# KiCad board fmc_memory_adapter.kicad_pcb (continued)
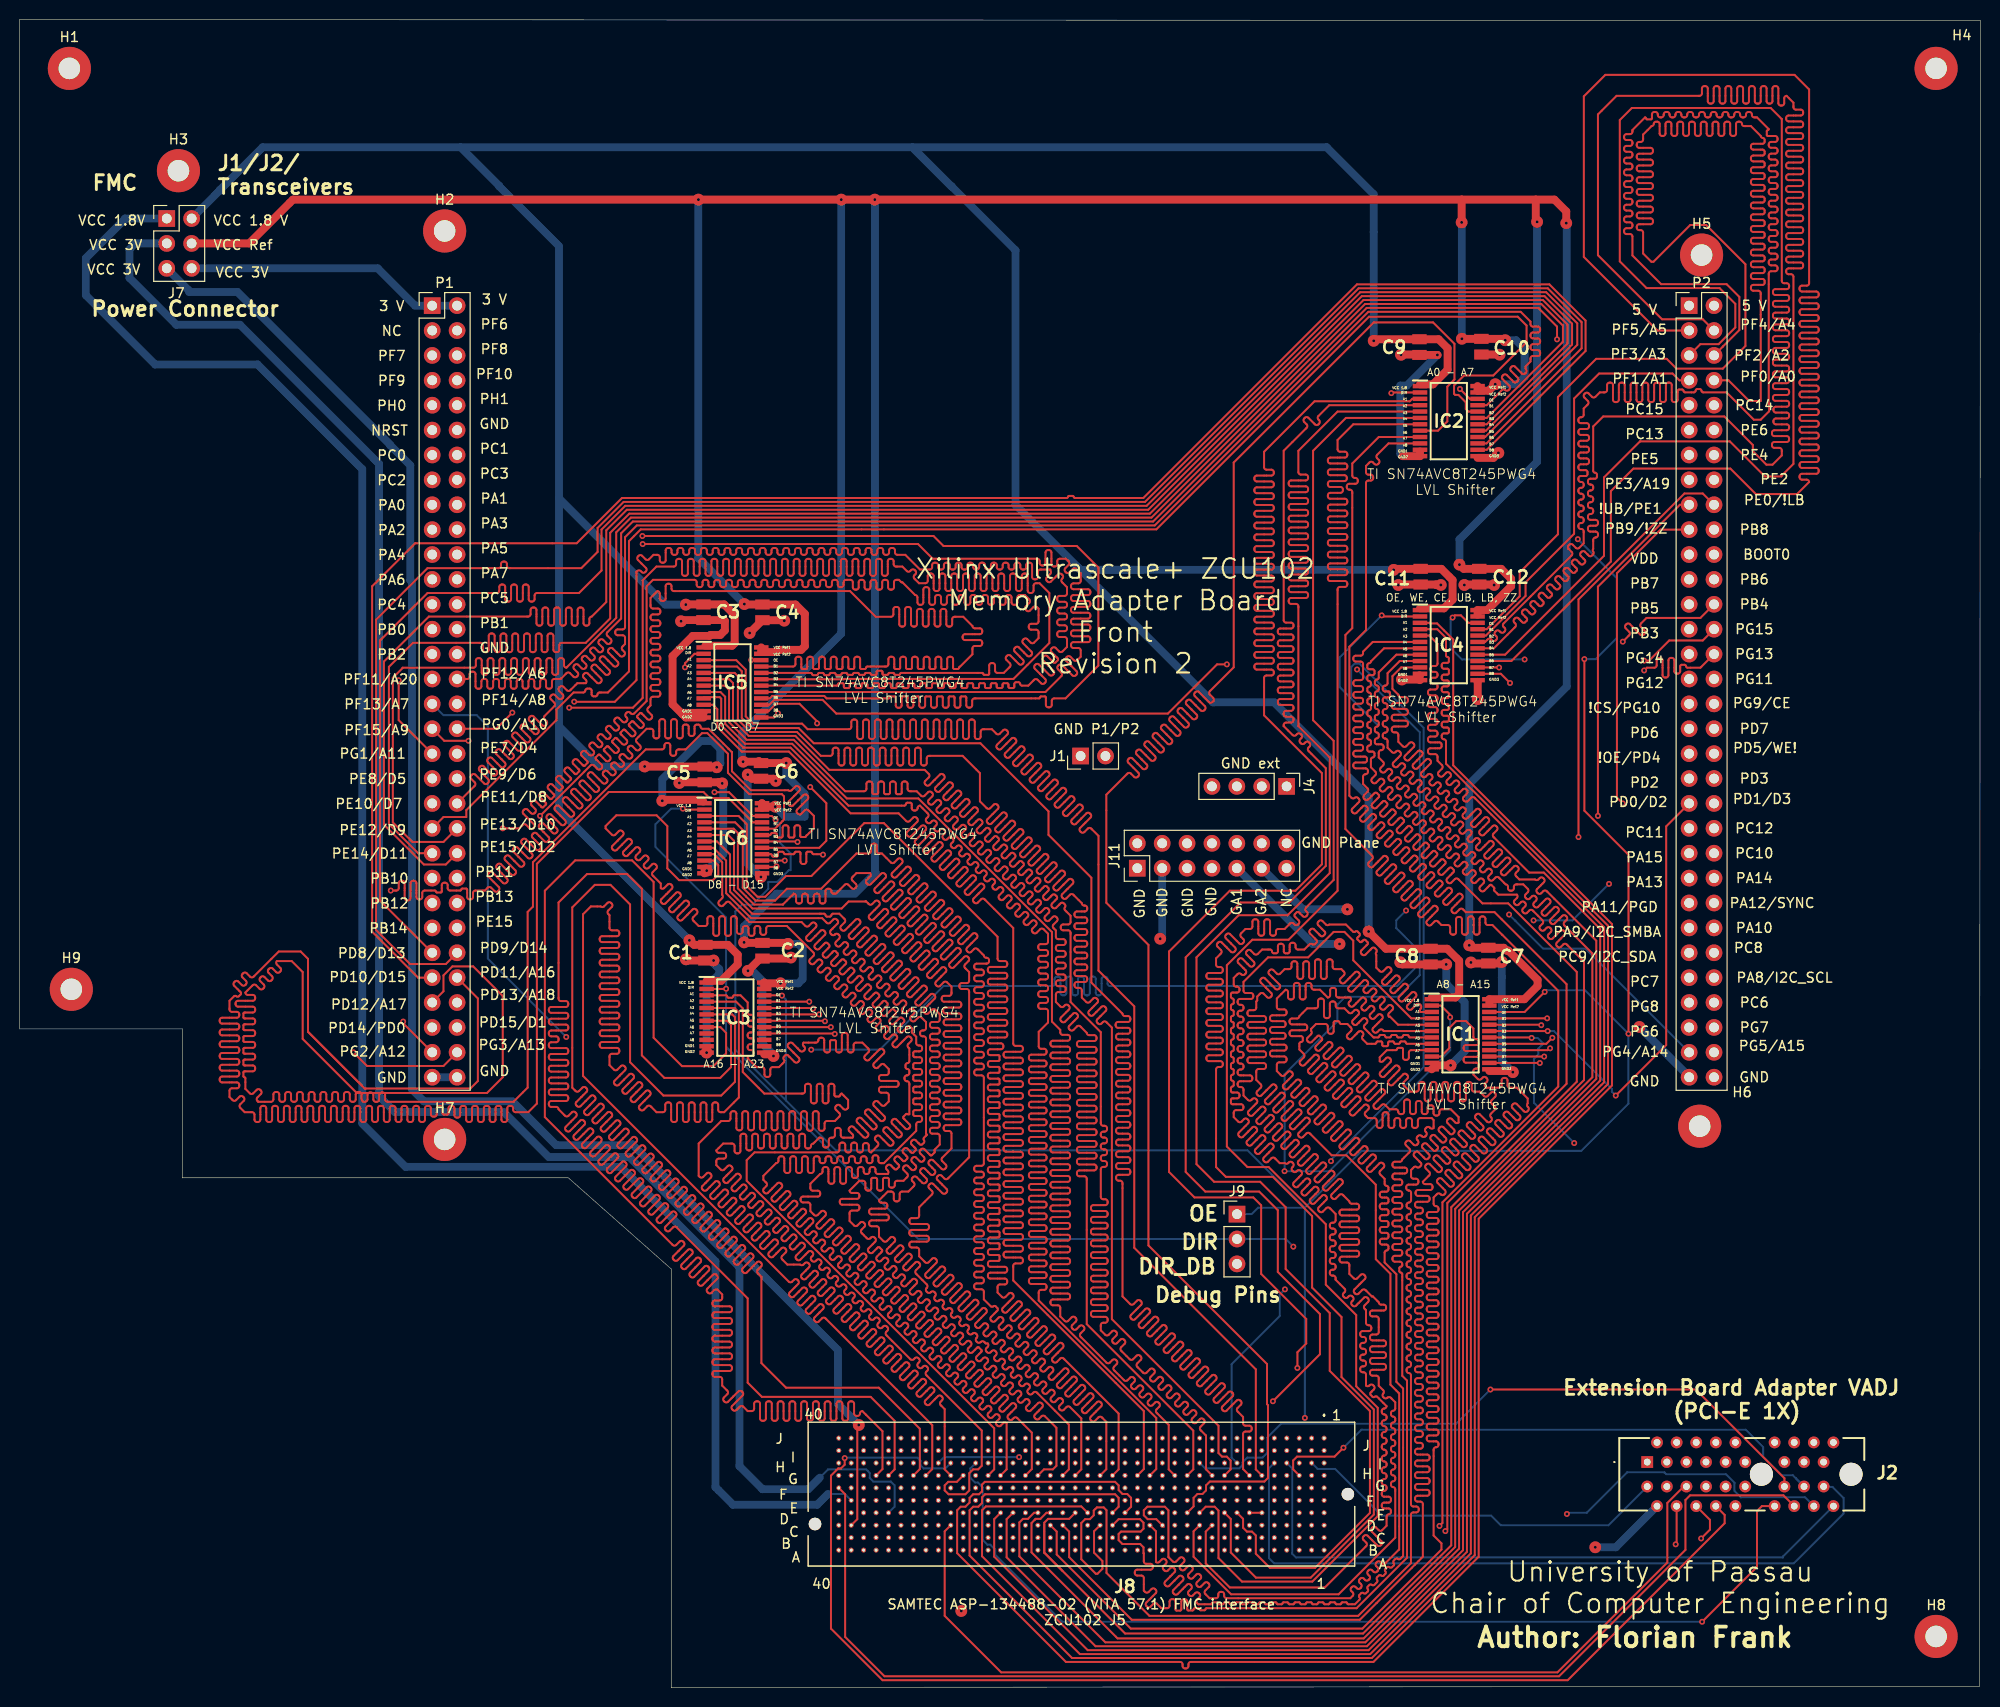
[diagram p0: board, top side]
## Routing (per net, layer and track width the routed paths; a pad name or vN(x,y) marks a point on that pad's centre or on a via; arc(x,y) is an arc through that point) (continued)
Net-(IC2-B2): length 158.9
  Top w0.2: P1.43 43.26,88.82 45.59,88.82 45.59,89.52 54.78,98.72 54.78,99.78 56.53,101.53 57.53,101.53 arc(57.67,101.59) 57.73,101.73 arc(57.79,101.87) 57.93,101.93 58.18,101.93 arc(58.32,101.87) 58.37,101.73 58.37,101.33 arc(58.43,101.19) 58.57,101.14 58.78,101.14 arc(58.92,101.19) 58.97,101.33 arc(59.03,101.47) 59.17,101.53 60.04,101.53 62.19,103.68 62.19,116.98 63.39,118.18 116.01,118.18 137.71,139.88 152.89,139.88 153.79,138.98 153.79,137.28 150.39,133.88 147.4,133.88 146.39,132.87 146.39,132.01 146.5,131.9 146.83,131.9 147.59,131.15 147.59,130.46 147.85,130.2 IC2.20
Net-(IC2-B3): length 200
  Top w0.2: IC2.19 149.72,129.55 157.5,137.32 157.5,138.97 155.29,141.18 137.31,141.18 115.51,119.38 62.39,119.38 60.89,117.88 60.89,109.15 55.8,104.06 arc(55.63,104.13) 55.56,104.3 55.56,104.79 arc(55.49,104.96) 55.32,105.03 55.2,105.03 arc(55.03,104.96) 54.96,104.79 54.96,103.57 arc(54.89,103.41) 54.72,103.33 54.6,103.33 arc(54.43,103.41) 54.36,103.57 54.36,104.79 arc(54.29,104.96) 54.12,105.03 54,105.03 arc(53.83,104.96) 53.76,104.79 53.76,103.57 arc(53.69,103.41) 53.52,103.33 53.4,103.33 arc(53.23,103.41) 53.16,103.57 53.16,104.79 arc(53.09,104.96) 52.92,105.03 52.8,105.03 arc(52.63,104.96) 52.56,104.79 52.56,103.57 arc(52.49,103.41) 52.32,103.33 52.2,103.33 arc(52.03,103.41) 51.96,103.57 51.96,104.79 arc(51.89,104.96) 51.72,105.03 51.6,105.03 arc(51.43,104.96) 51.36,104.79 51.36,103.57 arc(51.29,103.41) 51.12,103.33 51,103.33 arc(50.83,103.41) 50.76,103.57 50.76,104.79 arc(50.69,104.96) 50.52,105.03 50.4,105.03 arc(50.23,104.96) 50.16,104.79 50.16,103.57 arc(50.09,103.41) 49.92,103.33 49.8,103.33 arc(49.63,103.41) 49.56,103.57 49.56,104.79 arc(49.49,104.96) 49.32,105.03 49.2,105.03 arc(49.03,104.96) 48.96,104.79 48.96,103.57 arc(48.89,103.41) 48.72,103.33 48.6,103.33 arc(48.43,103.41) 48.36,103.57 48.36,104.79 arc(48.29,104.96) 48.12,105.03 48,105.03 arc(47.83,104.96) 47.76,104.79 47.76,103.57 arc(47.69,103.41) 47.52,103.33 47.4,103.33 arc(47.23,103.41) 47.16,103.57 47.16,104.79 arc(47.09,104.96) 46.92,105.03 46.8,105.03 arc(46.63,104.96) 46.56,104.79 46.56,104.3 arc(46.49,104.13) 46.32,104.06 39.09,104.06 39.09,104.03 38.09,103.03 38.09,88.28 40.09,86.28 43.26,86.28 P1.44
Net-(IC2-B4): length 200
  Top w0.2: IC2.18 149.72,128.9 157.94,137.12 157.94,139.09 155.45,141.58 137.14,141.58 115.34,119.78 62.22,119.78 60.27,117.83 60.27,109.1 57.77,106.6 55.32,106.6 arc(55.15,106.53) 55.08,106.36 55.08,105.89 arc(55.01,105.72) 54.84,105.65 54.72,105.65 arc(54.55,105.72) 54.48,105.89 54.48,107.31 arc(54.41,107.48) 54.24,107.55 54.12,107.55 arc(53.95,107.48) 53.88,107.31 53.88,105.89 arc(53.81,105.72) 53.64,105.65 53.52,105.65 arc(53.35,105.72) 53.28,105.89 53.28,107.31 arc(53.21,107.48) 53.04,107.55 52.92,107.55 arc(52.75,107.48) 52.68,107.31 52.68,105.89 arc(52.61,105.72) 52.44,105.65 52.32,105.65 arc(52.15,105.72) 52.08,105.89 52.08,107.31 arc(52.01,107.48) 51.84,107.55 51.72,107.55 arc(51.55,107.48) 51.48,107.31 51.48,105.89 arc(51.41,105.72) 51.24,105.65 51.12,105.65 arc(50.95,105.72) 50.88,105.89 50.88,107.31 arc(50.81,107.48) 50.64,107.55 50.52,107.55 arc(50.35,107.48) 50.28,107.31 50.28,105.89 arc(50.21,105.72) 50.04,105.65 49.92,105.65 arc(49.75,105.72) 49.68,105.89 49.68,107.31 arc(49.61,107.48) 49.44,107.55 49.32,107.55 arc(49.15,107.48) 49.08,107.31 49.08,105.89 arc(49.01,105.72) 48.84,105.65 48.72,105.65 arc(48.55,105.72) 48.48,105.89 48.48,107.31 arc(48.41,107.48) 48.24,107.55 48.12,107.55 arc(47.95,107.48) 47.88,107.31 47.88,105.89 arc(47.81,105.72) 47.64,105.65 47.52,105.65 arc(47.35,105.72) 47.28,105.89 47.28,106.36 arc(47.21,106.53) 47.04,106.6 40.14,106.6 37.69,104.15 37.69,88.11 40.67,85.13 P1.45
Net-(IC2-B5): length 200
  Top w0.2: IC2.17 149.64,128.25 158.43,137.04 158.43,139.17 155.62,141.98 136.98,141.98 115.18,120.18 61.97,120.18 59.87,118.08 59.87,110.76 58.39,109.28 arc(58.22,109.21) 58.15,109.04 58.15,108.6 arc(58.08,108.43) 57.91,108.36 57.79,108.36 arc(57.62,108.43) 57.55,108.6 57.55,109.96 arc(57.48,110.13) 57.31,110.2 57.19,110.2 arc(57.02,110.13) 56.95,109.96 56.95,108.6 arc(56.88,108.43) 56.71,108.36 56.59,108.36 arc(56.42,108.43) 56.35,108.6 56.35,109.96 arc(56.28,110.13) 56.11,110.2 55.99,110.2 arc(55.82,110.13) 55.75,109.96 55.75,108.6 arc(55.68,108.43) 55.51,108.36 55.39,108.36 arc(55.22,108.43) 55.15,108.6 55.15,109.96 arc(55.08,110.13) 54.91,110.2 54.79,110.2 arc(54.62,110.13) 54.55,109.96 54.55,108.6 arc(54.48,108.43) 54.31,108.36 54.19,108.36 arc(54.02,108.43) 53.95,108.6 53.95,109.96 arc(53.88,110.13) 53.71,110.2 53.59,110.2 arc(53.42,110.13) 53.35,109.96 53.35,108.6 arc(53.28,108.43) 53.11,108.36 52.99,108.36 arc(52.82,108.43) 52.75,108.6 52.75,109.96 arc(52.68,110.13) 52.51,110.2 52.39,110.2 arc(52.22,110.13) 52.15,109.96 52.15,109.52 arc(52.08,109.35) 51.91,109.28 41.77,109.28 37.18,104.69 37.18,88.06 41.25,83.98 43.5,83.98 P1.46
Net-(IC2-B6): length 200
  Top w0.2: IC2.16 149.55,127.6 158.96,137.01 158.96,139.2 155.78,142.38 136.81,142.38 115.01,120.58 61.8,120.58 59.39,118.16 59.39,113.98 57.09,111.68 52.79,111.68 arc(52.63,111.61) 52.55,111.44 52.55,111.05 arc(52.48,110.88) 52.31,110.81 52.19,110.81 arc(52.03,110.88) 51.95,111.05 51.95,112.31 arc(51.88,112.48) 51.71,112.55 51.59,112.55 arc(51.43,112.48) 51.35,112.31 51.35,111.05 arc(51.28,110.88) 51.11,110.81 50.99,110.81 arc(50.83,110.88) 50.75,111.05 50.75,112.31 arc(50.68,112.48) 50.51,112.55 50.39,112.55 arc(50.23,112.48) 50.15,112.31 50.15,111.05 arc(50.08,110.88) 49.91,110.81 49.79,110.81 arc(49.63,110.88) 49.55,111.05 49.55,112.31 arc(49.48,112.48) 49.31,112.55 49.19,112.55 arc(49.03,112.48) 48.95,112.31 48.95,111.92 arc(48.88,111.75) 48.71,111.68 41.63,111.68 36.78,106.83 36.78,80.3 P1.53
Net-(IC2-B7): length 200
  Top w0.2: IC2.15 149.7,126.95 159.41,136.66 159.41,139.32 155.95,142.78 136.65,142.78 114.85,120.98 61.64,120.98 58.99,118.33 58.99,115.88 57.33,114.22 49.97,114.22 arc(49.8,114.29) 49.73,114.46 49.73,114.65 arc(49.66,114.82) 49.49,114.89 49.37,114.89 arc(49.2,114.82) 49.13,114.65 49.13,114.46 arc(49.06,114.29) 48.89,114.22 41.63,114.22 36.38,108.97 36.38,77.29 39.85,73.82 43.5,73.82 P1.54
Net-(IC2-B8): length 200
  Top w0.2: IC2.14 149.72,126.3 159.81,136.38 159.81,139.49 156.11,143.18 136.48,143.18 114.68,121.38 107.68,121.38 arc(107.61,121.41) 107.58,121.48 arc(107.55,121.56) 107.47,121.59 107.08,121.59 arc(107.01,121.56) 106.98,121.48 arc(106.95,121.41) 106.87,121.38 61.47,121.38 56.85,116.76 40.41,116.76 40.39,116.78 35.98,112.37 35.98,77.12 40.67,72.43 P1.55
Net-(IC3-A1): length 200
  Top w0.2: IC3.3 72.08,70.63 arc(72.17,70.59) 72.21,70.5 arc(72.25,70.42) 72.33,70.38 72.68,70.38 arc(72.77,70.42) 72.81,70.5 arc(72.85,70.59) 72.93,70.63 73.57,70.63 74.3,69.9 74.3,68.88 arc(74.37,68.71) 74.54,68.64 74.66,68.64 arc(74.83,68.57) 74.9,68.4 74.9,68.28 arc(74.83,68.11) 74.66,68.04 74.54,68.04 arc(74.37,67.97) 74.3,67.8 74.3,67.68 arc(74.37,67.51) 74.54,67.44 74.66,67.44 arc(74.83,67.37) 74.9,67.2 74.9,67.08 arc(74.83,66.91) 74.66,66.84 74.54,66.84 arc(74.37,66.77) 74.3,66.6 74.3,66.48 arc(74.37,66.31) 74.54,66.24 74.66,66.24 arc(74.83,66.17) 74.9,66 74.9,65.88 arc(74.83,65.71) 74.66,65.64 74.54,65.64 arc(74.37,65.57) 74.3,65.4 74.3,65.28 arc(74.37,65.11) 74.54,65.04 74.66,65.04 arc(74.83,64.97) 74.9,64.8 74.9,64.68 arc(74.83,64.51) 74.66,64.44 74.54,64.44 arc(74.37,64.37) 74.3,64.2 75.2,63.3 75.77,63.3 arc(75.94,63.23) 76.01,63.06 76.01,62.54 arc(76.08,62.37) 76.25,62.3 76.37,62.3 arc(76.54,62.37) 76.61,62.54 76.61,63.06 arc(76.68,63.23) 76.85,63.3 77.5,63.3 77.99,63.79 arc(78.05,63.93) 77.99,64.07 arc(77.93,64.22) 77.99,64.36 78.13,64.5 arc(78.27,64.56) 78.42,64.5 79.09,63.82 arc(79.26,63.75) 79.43,63.82 79.52,63.9 arc(79.59,64.07) 79.52,64.24 78.44,65.32 arc(78.37,65.49) 78.44,65.66 78.53,65.74 arc(78.7,65.81) 78.87,65.74 79.66,64.95 arc(79.83,64.88) 80,64.95 80.08,65.04 arc(80.16,65.21) 80.08,65.38 80,65.46 arc(79.93,65.63) 80,65.8 81.27,65.8 arc(81.44,65.87) 81.51,66.04 81.51,66.06 arc(81.58,66.23) 81.75,66.3 81.87,66.3 arc(82.04,66.23) 82.11,66.06 82.11,65.04 arc(82.18,64.87) 82.35,64.8 82.47,64.8 arc(82.64,64.87) 82.71,65.04 82.71,65.92 arc(82.75,66.01) 82.83,66.05 83.19,66.05 arc(83.27,66.01) 83.31,65.92 83.31,65.04 arc(83.38,64.87) 83.55,64.8 83.67,64.8 arc(83.84,64.87) 83.91,65.04 83.91,66.56 arc(83.98,66.73) 84.15,66.8 84.27,66.8 arc(84.44,66.73) 84.51,66.56 84.51,65.04 arc(84.58,64.87) 84.75,64.8 84.87,64.8 arc(85.04,64.87) 85.11,65.04 85.11,65.56 arc(85.18,65.73) 85.35,65.8 86,65.8 86.63,65.17 arc(86.7,65) 86.63,64.83 86.26,64.46 arc(86.19,64.3) 86.26,64.13 86.35,64.04 arc(86.52,63.97) 86.68,64.04 87.76,65.12 arc(87.93,65.19) 88.1,65.12 88.18,65.03 arc(88.25,64.86) 88.18,64.69 87.18,63.69 arc(87.11,63.52) 87.18,63.35 87.26,63.26 arc(87.43,63.19) 87.6,63.26 87.9,63.56 arc(88.07,63.63) 88.24,63.56 88.7,63.1 88.7,62.73 arc(88.63,62.56) 88.46,62.49 87.94,62.49 arc(87.77,62.42) 87.7,62.25 87.7,62.13 arc(87.77,61.96) 87.94,61.89 89.46,61.89 arc(89.63,61.82) 89.7,61.65 89.7,61.53 arc(89.63,61.36) 89.46,61.29 87.94,61.29 arc(87.77,61.22) 87.7,61.05 87.7,60.93 arc(87.77,60.76) 87.94,60.69 88.46,60.69 arc(88.63,60.62) 88.7,60.45 88.7,59.8 88.31,59.41 arc(88.14,59.34) 87.97,59.41 87.6,59.78 arc(87.43,59.85) 87.26,59.78 87.18,59.69 arc(87.11,59.52) 87.18,59.35 88.25,58.28 arc(88.32,58.11) 88.25,57.94 88.17,57.85 arc(88,57.78) 87.83,57.85 86.75,58.93 arc(86.58,59) 86.41,58.93 86.33,58.84 arc(86.26,58.67) 86.33,58.5 87.4,57.43 arc(87.47,57.26) 87.4,57.09 87.32,57.01 arc(87.15,56.93) 86.98,57.01 85.91,58.08 arc(85.74,58.15) 85.57,58.08 85.48,58 arc(85.41,57.83) 85.48,57.66 86.56,56.58 arc(86.63,56.41) 86.56,56.24 86.47,56.16 arc(86.3,56.09) 86.13,56.16 85.09,57.2 arc(84.92,57.27) 84.75,57.2 84.67,57.11 arc(84.6,56.94) 84.67,56.77 85,56.44 arc(85.07,56.27) 85,56.1 84.04,56.1 arc(83.87,56.17) 83.8,56.34 83.8,56.86 arc(83.73,57.03) 83.56,57.1 83.44,57.1 arc(83.27,57.03) 83.2,56.86 83.2,56.34 arc(83.13,56.17) 82.96,56.1 82.82,56.1 arc(82.65,56.03) 82.58,55.86 82.58,55.34 arc(82.51,55.17) 82.34,55.1 82.22,55.1 arc(82.05,55.17) 81.98,55.34 81.98,55.86 arc(81.91,56.03) 81.74,56.1 81.6,56.1 81,55.5 arc(80.83,55.43) 80.76,55.26 80.76,55.24 arc(80.69,55.07) 80.52,55 80.4,55 arc(80.23,55.07) 80.16,55.24 80.16,56.26 arc(80.09,56.43) 79.92,56.5 79.8,56.5 arc(79.63,56.43) 79.56,56.26 79.56,55.24 arc(79.49,55.07) 79.32,55 79.2,55 arc(79.03,55.07) 78.96,55.24 78.96,56.26 arc(78.89,56.43) 78.72,56.5 78.6,56.5 arc(78.43,56.43) 78.36,56.26 78.36,55.24 arc(78.29,55.07) 78.12,55 78,55 arc(77.83,55.07) 77.76,55.24 77.76,56.26 arc(77.69,56.43) 77.52,56.5 77.4,56.5 arc(77.23,56.43) 77.16,56.26 77.16,55.24 arc(77.09,55.07) 76.92,55 76.8,55 arc(76.63,55.07) 76.56,55.24 76.56,56.26 arc(76.49,56.43) 76.32,56.5 76.2,56.5 arc(76.03,56.43) 75.96,56.26 75.96,55.24 arc(75.89,55.07) 75.72,55 75.6,55 arc(75.43,55.07) 75.36,55.24 75.36,56.26 arc(75.29,56.43) 75.12,56.5 75,56.5 arc(74.83,56.43) 74.76,56.26 74.76,55.04 arc(74.69,54.87) 74.52,54.8 74.4,54.8 arc(74.23,54.87) 74.16,55.04 74.16,56.26 arc(74.09,56.43) 73.92,56.5 73.8,56.5 arc(73.63,56.43) 73.56,56.26 73.56,54.74 arc(73.49,54.57) 73.32,54.5 73.2,54.5 arc(73.03,54.57) 72.96,54.74 72.96,55.26 arc(72.89,55.43) 72.72,55.5 71.8,55.5 71.1,54.8 arc(71.17,54.63) 71.34,54.56 71.86,54.56 arc(72.03,54.49) 72.1,54.32 72.1,54.2 arc(72.03,54.03) 71.86,53.96 71.34,53.96 arc(71.17,53.89) 71.1,53.72 71.1,53.3 71.56,52.84 arc(71.73,52.77) 71.9,52.84 72.27,53.21 arc(72.44,53.28) 72.61,53.21 72.69,53.12 arc(72.76,52.95) 72.69,52.78 71.86,51.96 arc(71.79,51.79) 71.86,51.62 71.95,51.53 arc(72.12,51.46) 72.29,51.53 73.12,52.36 arc(73.28,52.43) 73.45,52.36 73.54,52.27 arc(73.61,52.1) 73.54,51.94 72.71,51.11 arc(72.64,50.94) 72.71,50.77 72.8,50.68 arc(72.97,50.61) 73.14,50.68 73.72,51.26 arc(73.89,51.33) 74.06,51.26 74.14,51.18 arc(74.21,51.01) 74.14,50.84 73.56,50.26 arc(73.49,50.09) 73.56,49.92 73.65,49.84 arc(73.82,49.76) 73.98,49.84 74.56,50.42 arc(74.73,50.49) 74.9,50.42 74.99,50.33 arc(75.06,50.16) 74.99,49.99 74.41,49.41 arc(74.34,49.24) 74.41,49.07 74.49,48.99 arc(74.66,48.92) 74.83,48.99 75.41,49.57 arc(75.58,49.64) 75.75,49.57 75.84,49.48 arc(75.91,49.31) 75.84,49.14 75.26,48.56 arc(75.19,48.39) 75.26,48.22 75.34,48.14 arc(75.51,48.07) 75.68,48.14 76.26,48.72 arc(76.43,48.79) 76.6,48.72 76.69,48.63 arc(76.76,48.46) 76.69,48.29 76.11,47.71 arc(76.04,47.54) 76.11,47.37 76.19,47.29 arc(76.36,47.22) 76.53,47.29 77.11,47.87 arc(77.28,47.94) 77.45,47.87 77.53,47.78 arc(77.6,47.61) 77.53,47.45 76.95,46.87 arc(76.88,46.7) 76.95,46.53 77.04,46.44 arc(77.21,46.37) 77.38,46.44 77.96,47.02 arc(78.13,47.09) 78.3,47.02 78.38,46.94 arc(78.45,46.77) 78.38,46.6 77.8,46.02 arc(77.73,45.85) 77.8,45.68 77.89,45.59 arc(78.06,45.52) 78.23,45.59 78.81,46.17 arc(78.98,46.24) 79.15,46.17 79.23,46.09 arc(79.3,45.92) 79.23,45.75 78.65,45.17 arc(78.58,45) 78.65,44.83 78.74,44.74 arc(78.91,44.67) 79.08,44.74 79.66,45.32 arc(79.83,45.39) 80,45.32 80.08,45.24 arc(80.15,45.07) 80.08,44.9 79.25,44.07 arc(79.18,43.9) 79.25,43.73 79.34,43.65 arc(79.51,43.58) 79.68,43.65 80.5,44.48 arc(80.67,44.55) 80.84,44.48 80.93,44.39 arc(81,44.22) 80.93,44.05 80.81,43.93 arc(80.74,43.76) 80.81,43.59 80.89,43.51 arc(81.06,43.44) 81.23,43.51 81.35,43.63 arc(81.52,43.7) 81.69,43.63 81.78,43.54 arc(81.85,43.37) 81.78,43.2 81.66,43.08 arc(81.59,42.91) 81.66,42.74 81.74,42.66 arc(81.91,42.59) 82.08,42.66 82.2,42.78 arc(82.37,42.85) 82.54,42.78 82.63,42.69 arc(82.7,42.52) 82.63,42.35 82.51,42.23 arc(82.44,42.06) 82.51,41.89 82.59,41.81 arc(82.76,41.74) 82.93,41.81 83.05,41.93 arc(83.22,42) 83.39,41.93 83.47,41.84 arc(83.54,41.68) 83.47,41.51 83.35,41.39 arc(83.28,41.22) 83.35,41.05 83.44,40.96 arc(83.61,40.89) 83.78,40.96 83.9,41.08 arc(84.07,41.15) 84.24,41.08 84.32,41 arc(84.39,40.83) 84.32,40.66 84.2,40.54 arc(84.13,40.37) 84.2,40.2 84.29,40.11 arc(84.46,40.04) 84.63,40.11 84.75,40.23 arc(84.92,40.3) 85.09,40.23 85.17,40.15 arc(85.24,39.98) 85.17,39.81 85.05,39.69 arc(84.98,39.52) 85.05,39.35 85.14,39.26 arc(85.31,39.19) 85.48,39.26 85.6,39.38 arc(85.77,39.45) 85.94,39.38 86.02,39.3 arc(86.09,39.13) 86.02,38.96 85.9,38.84 arc(85.83,38.67) 85.9,38.5 85.98,38.42 arc(86.15,38.35) 86.32,38.42 86.44,38.54 arc(86.61,38.61) 86.78,38.54 86.87,38.45 arc(86.94,38.28) 86.87,38.11 86.75,37.99 arc(86.68,37.82) 86.75,37.65 86.83,37.57 arc(87,37.5) 87.17,37.57 87.29,37.69 arc(87.46,37.76) 87.63,37.69 87.72,37.6 arc(87.79,37.43) 87.72,37.26 87.6,37.14 arc(87.53,36.97) 87.6,36.8 87.68,36.72 arc(87.85,36.65) 88.02,36.72 88.14,36.84 arc(88.31,36.91) 88.48,36.84 88.57,36.75 arc(88.64,36.58) 88.57,36.41 88.45,36.29 arc(88.38,36.12) 88.45,35.95 90.91,33.49 arc(91.08,33.42) 91.25,33.49 91.37,33.6 arc(91.54,33.68) 91.71,33.6 91.79,33.52 arc(91.86,33.35) 91.79,33.18 91.68,33.06 arc(91.61,32.89) 91.68,32.72 91.76,32.64 arc(91.93,32.57) 92.1,32.64 92.22,32.76 arc(92.39,32.83) 92.56,32.76 92.64,32.67 arc(92.71,32.5) 92.64,32.33 92.52,32.21 arc(92.45,32.04) 92.52,31.88 98.19,26.21 98.19,22.61 97.82,22.25 97.31,22.25 96.92,21.86 96.92,20.1 96.52,19.71 94.8,19.71 94.41,20.1 94.41,20.62 94.77,20.98 95.65,20.98 J8.G30
Net-(IC3-A2): length 200
  Top w0.2: IC3.4 73.12,69.98 73.8,69.3 73.8,62.8 76,60.6 79.91,60.6 arc(80.08,60.67) 80.15,60.84 80.15,61.36 arc(80.22,61.53) 80.39,61.6 80.51,61.6 arc(80.68,61.53) 80.75,61.36 80.75,59.84 arc(80.82,59.67) 80.99,59.6 81.11,59.6 arc(81.28,59.67) 81.35,59.84 81.35,61.36 arc(81.42,61.53) 81.59,61.6 81.71,61.6 arc(81.88,61.53) 81.95,61.36 81.95,59.84 arc(82.02,59.67) 82.19,59.6 82.31,59.6 arc(82.48,59.67) 82.55,59.84 82.55,61.36 arc(82.62,61.53) 82.79,61.6 82.91,61.6 arc(83.08,61.53) 83.15,61.36 83.15,60.45 arc(83.19,60.35) 83.3,60.3 83.6,60.3 arc(83.71,60.35) 83.75,60.45 arc(83.79,60.56) 83.9,60.6 84.55,59.95 84.55,59.15 84.42,59.02 arc(84.25,58.95) 84.08,59.02 83.72,59.39 arc(83.55,59.46) 83.38,59.39 83.29,59.3 arc(83.22,59.14) 83.29,58.97 83.66,58.6 arc(83.73,58.43) 83.66,58.26 83.2,57.8 82.39,57.8 arc(82.22,57.73) 82.15,57.56 82.15,57.04 arc(82.08,56.87) 81.91,56.8 81.79,56.8 arc(81.62,56.87) 81.55,57.04 81.55,58.56 arc(81.48,58.73) 81.31,58.8 81.19,58.8 arc(81.02,58.73) 80.95,58.56 80.95,57.04 arc(80.88,56.87) 80.71,56.8 80.59,56.8 arc(80.42,56.87) 80.35,57.04 80.35,58.56 arc(80.28,58.73) 80.11,58.8 79.99,58.8 arc(79.82,58.73) 79.75,58.56 79.75,57.09 arc(79.68,56.92) 79.51,56.85 79.39,56.85 arc(79.22,56.92) 79.15,57.09 79.15,58.56 arc(79.08,58.73) 78.91,58.8 78.79,58.8 arc(78.62,58.73) 78.55,58.56 78.55,57.09 arc(78.48,56.92) 78.31,56.85 78.19,56.85 arc(78.02,56.92) 77.95,57.09 77.95,58.56 arc(77.88,58.73) 77.71,58.8 77.59,58.8 arc(77.42,58.73) 77.35,58.56 77.35,57.09 arc(77.28,56.92) 77.11,56.85 76.99,56.85 arc(76.82,56.92) 76.75,57.09 76.75,58.56 arc(76.68,58.73) 76.51,58.8 76.39,58.8 arc(76.22,58.73) 76.15,58.56 76.15,57.09 arc(76.08,56.92) 75.91,56.85 75.79,56.85 arc(75.62,56.92) 75.55,57.09 75.55,58.56 arc(75.48,58.73) 75.31,58.8 75.19,58.8 arc(75.02,58.73) 74.95,58.56 74.95,57.09 arc(74.88,56.92) 74.71,56.85 74.59,56.85 arc(74.42,56.92) 74.35,57.09 74.35,58.56 arc(74.28,58.73) 74.11,58.8 73.99,58.8 arc(73.82,58.73) 73.75,58.56 73.75,57.09 arc(73.68,56.92) 73.51,56.85 73.39,56.85 arc(73.22,56.92) 73.15,57.09 73.15,58.56 arc(73.08,58.73) 72.91,58.8 72.79,58.8 arc(72.62,58.73) 72.55,58.56 72.55,58.04 arc(72.48,57.87) 72.31,57.8 71.6,57.8 69.3,55.5 69.3,52.2 69.41,52.09 arc(69.58,52.02) 69.75,52.09 70.12,52.45 arc(70.29,52.52) 70.46,52.45 70.54,52.37 arc(70.62,52.2) 70.54,52.03 69.68,51.17 arc(69.61,51) 69.68,50.83 69.77,50.74 arc(69.94,50.67) 70.11,50.74 70.97,51.61 arc(71.14,51.68) 71.31,51.61 71.39,51.52 arc(71.46,51.35) 71.39,51.18 70.53,50.32 arc(70.46,50.15) 70.53,49.98 70.62,49.89 arc(70.79,49.82) 70.96,49.89 71.82,50.76 arc(71.99,50.83) 72.16,50.76 72.24,50.67 arc(72.31,50.5) 72.24,50.33 71.38,49.47 arc(71.31,49.3) 71.38,49.13 71.46,49.05 arc(71.63,48.98) 71.8,49.05 72.67,49.91 arc(72.84,49.98) 73.01,49.91 73.09,49.82 arc(73.16,49.65) 73.09,49.48 72.23,48.62 arc(72.16,48.45) 72.23,48.28 72.31,48.2 arc(72.48,48.13) 72.65,48.2 73.51,49.06 arc(73.68,49.13) 73.85,49.06 73.94,48.98 arc(74.01,48.81) 73.94,48.64 73.08,47.77 arc(73.01,47.6) 73.08,47.43 73.16,47.35 arc(73.33,47.28) 73.5,47.35 74.36,48.21 arc(74.53,48.28) 74.7,48.21 74.79,48.13 arc(74.86,47.96) 74.79,47.79 73.92,46.92 arc(73.85,46.75) 73.92,46.59 74.01,46.5 arc(74.18,46.43) 74.35,46.5 75.21,47.36 arc(75.38,47.43) 75.55,47.36 75.64,47.28 arc(75.71,47.11) 75.64,46.94 74.77,46.08 arc(74.7,45.91) 74.77,45.74 74.86,45.65 arc(75.03,45.58) 75.2,45.65 76.06,46.51 arc(76.23,46.58) 76.4,46.51 76.48,46.43 arc(76.55,46.26) 76.48,46.09 75.62,45.23 arc(75.55,45.06) 75.62,44.89 75.71,44.8 arc(75.88,44.73) 76.05,44.8 76.91,45.67 arc(77.08,45.74) 77.25,45.67 77.33,45.58 arc(77.4,45.41) 77.33,45.24 76.47,44.38 arc(76.4,44.21) 76.47,44.04 76.56,43.95 arc(76.73,43.88) 76.89,43.95 77.76,44.82 arc(77.93,44.89) 78.1,44.82 78.18,44.73 arc(78.25,44.56) 78.18,44.39 77.81,44.03 arc(77.74,43.86) 77.81,43.69 78.35,43.15 79.65,43.15 arc(79.82,43.08) 79.99,43.15 80.14,43.31 arc(80.31,43.38) 80.48,43.31 80.57,43.22 arc(80.64,43.05) 80.57,42.88 79.81,42.12 arc(79.74,41.95) 79.81,41.79 79.9,41.7 arc(80.07,41.63) 80.24,41.7 80.99,42.46 arc(81.16,42.53) 81.33,42.46 81.42,42.37 arc(81.49,42.2) 81.42,42.03 80.66,41.28 arc(80.59,41.11) 80.66,40.94 80.75,40.85 arc(80.92,40.78) 81.09,40.85 81.84,41.61 arc(82.01,41.68) 82.18,41.61 82.27,41.52 arc(82.34,41.35) 82.27,41.18 81.51,40.43 arc(81.44,40.26) 81.51,40.09 81.59,40 arc(81.76,39.93) 81.93,40 82.69,40.76 arc(82.86,40.83) 83.03,40.76 83.11,40.68 arc(83.19,40.51) 83.11,40.34 82.36,39.58 arc(82.29,39.41) 82.36,39.24 82.44,39.15 arc(82.61,39.08) 82.78,39.15 83.54,39.91 arc(83.71,39.98) 83.88,39.91 83.96,39.83 arc(84.03,39.66) 83.96,39.49 83.1,38.62 arc(83.03,38.45) 83.1,38.29 83.19,38.2 arc(83.36,38.13) 83.52,38.2 84.39,39.06 arc(84.56,39.13) 84.73,39.06 84.81,38.98 arc(84.88,38.81) 84.81,38.64 83.95,37.78 arc(83.88,37.61) 83.95,37.44 84.03,37.35 arc(84.2,37.28) 84.37,37.35 85.24,38.21 arc(85.41,38.28) 85.58,38.21 85.66,38.13 arc(85.73,37.96) 85.66,37.79 84.8,36.93 arc(84.73,36.76) 84.8,36.59 84.88,36.5 arc(85.05,36.43) 85.22,36.5 86.08,37.37 arc(86.25,37.44) 86.42,37.37 86.51,37.28 arc(86.58,37.11) 86.51,36.94 85.65,36.08 arc(85.58,35.91) 85.65,35.74 85.73,35.65 arc(85.9,35.58) 86.07,35.65 86.93,36.52 arc(87.1,36.59) 87.27,36.52 87.36,36.43 arc(87.43,36.26) 87.36,36.09 86.49,35.23 arc(86.42,35.06) 86.49,34.89 86.58,34.81 arc(86.75,34.74) 86.92,34.81 87.78,35.67 arc(87.95,35.74) 88.12,35.67 88.21,35.58 arc(88.28,35.41) 88.21,35.24 87.34,34.38 arc(87.27,34.21) 87.34,34.04 87.43,33.96 arc(87.6,33.89) 87.77,33.96 88.63,34.82 arc(88.8,34.89) 88.97,34.82 89.05,34.74 arc(89.12,34.57) 89.05,34.4 88.19,33.53 arc(88.12,33.36) 88.19,33.19 88.28,33.11 arc(88.45,33.04) 88.62,33.11 89.48,33.97 arc(89.65,34.04) 89.82,33.97 89.9,33.89 arc(89.97,33.72) 89.9,33.55 89.04,32.68 arc(88.97,32.52) 89.04,32.35 89.13,32.26 arc(89.29,32.19) 89.46,32.26 90.33,33.12 arc(90.5,33.19) 90.67,33.12 90.75,33.04 arc(90.82,32.87) 90.75,32.7 89.89,31.84 arc(89.82,31.67) 89.89,31.5 89.97,31.41 arc(90.14,31.34) 90.31,31.41 91.18,32.27 arc(91.35,32.35) 91.52,32.27 91.6,32.19 arc(91.67,32.02) 91.6,31.85 90.74,30.99 arc(90.67,30.82) 90.74,30.65 90.82,30.56 arc(90.99,30.49) 91.16,30.56 92.02,31.43 arc(92.19,31.5) 92.36,31.43 92.45,31.34 arc(92.52,31.17) 92.45,31 91.59,30.14 arc(91.52,29.97) 91.59,29.8 91.67,29.71 arc(91.84,29.64) 92.01,29.71 92.87,30.58 arc(93.04,30.65) 93.21,30.58 93.3,30.49 arc(93.37,30.32) 93.3,30.15 92.43,29.29 arc(92.36,29.12) 92.43,28.95 92.52,28.87 arc(92.69,28.8) 92.86,28.87 93.72,29.73 arc(93.89,29.8) 94.06,29.73 94.15,29.64 arc(94.22,29.47) 94.15,29.3 93.99,29.15 arc(93.92,28.98) 93.99,28.81 94.41,28.39 94.41,22.25 J8.G31 95.04,21.63
